# Altium PCB meltdown_interface.PcbDoc
Units mm, origin at the board's own origin, x right, y up, seen from the top; angles counter-clockwise.
Board outline 131.5 x 55 mm, 2 copper layers (Top Layer, Bottom Layer); 33 components, 31 nets, 132 pads, 51 vias.
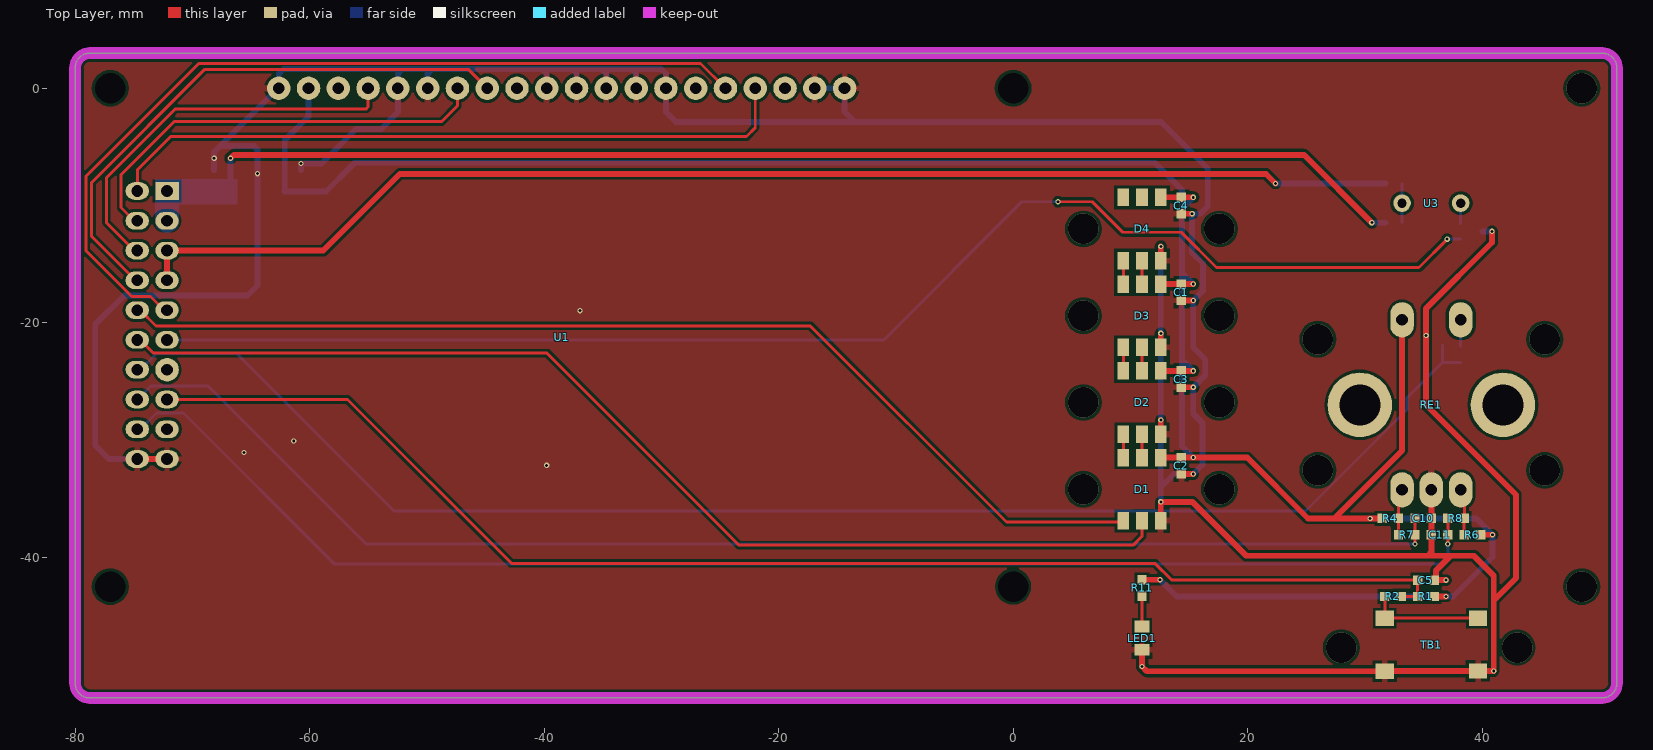
[diagram p0: Top Layer view]
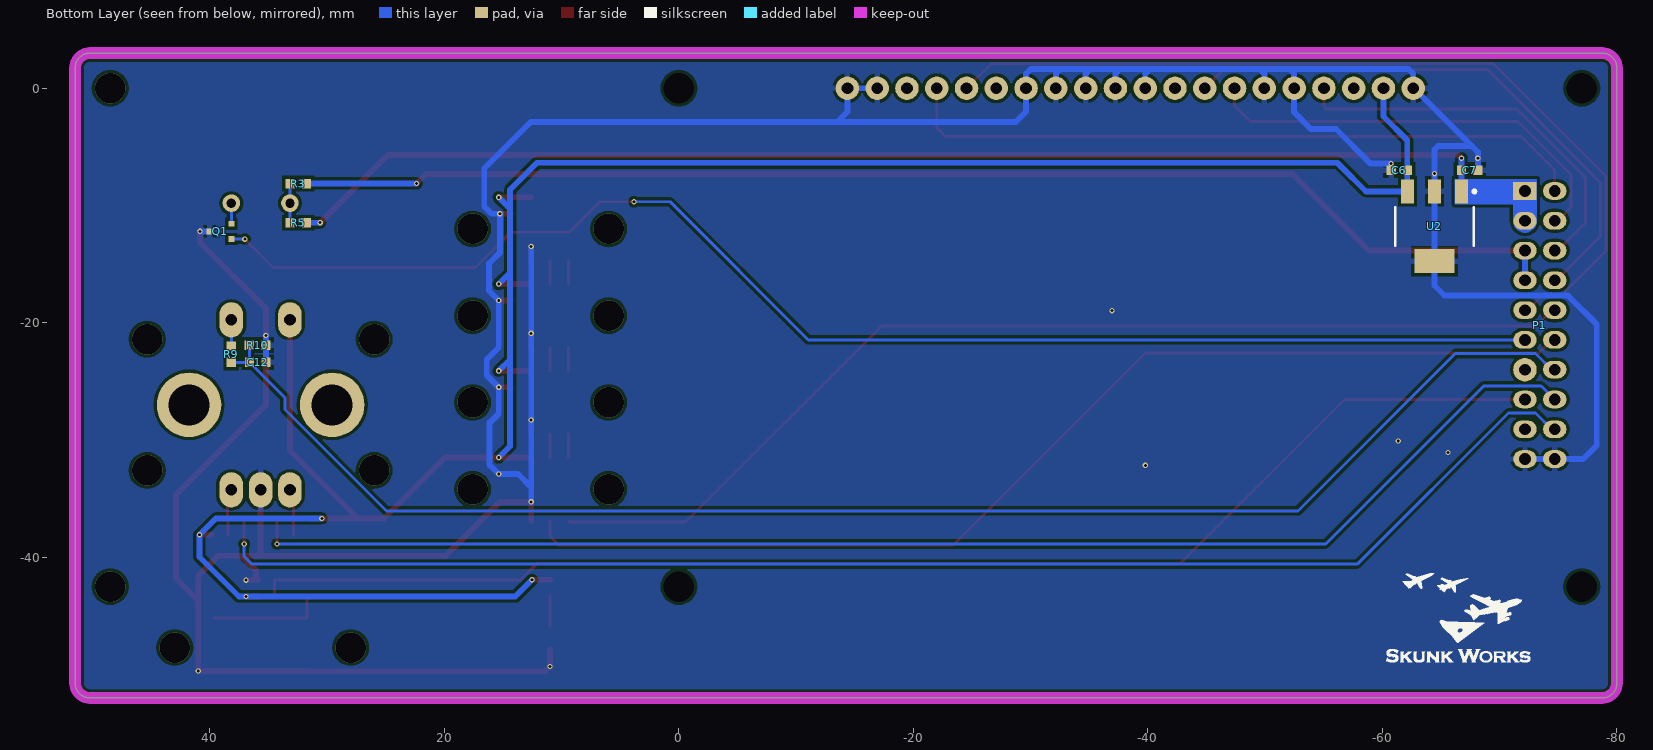
[diagram p1: Bottom Layer view, seen from below]

## Layer stack, top to bottom
Top Solder: solder mask 0.0102, Solder Resist, Dk 3.5
Top Layer: signal copper 0.0356
Dielectric 1: dielectric 0.32, FR-4, Dk 4.8
Bottom Layer: signal copper 0.0356
Bottom Solder: solder mask 0.0102, Solder Resist, Dk 3.5

## Board outline
-80,-50.73 -80,1.73 cw(c-78.73,1.73) -78.73,3 50.23,3 cw(c50.23,1.73) 51.5,1.73 51.5,-50.73 cw(c50.23,-50.73) 50.23,-52 -78.73,-52 cw(c-78.73,-50.73)

## Design rules (kind name [scope] priority, off if disabled: settings)
Clearance [All] p1: gap=0.254 ignorepadtopadclearanceinfootprint=FALSE except(0: Arc-Hole Track-Hole SMDPad-Hole THPad-Hole Via-Hole Fill-Hole Poly-Hole Region-Hole Text-Hole)
Height [All] p1: minheight=0 maxheight=127 prefheight=12.7
HoleSize [All] p1: absolutevalues=TRUE maxlimit=5 minlimit=0.025 maxpercent=80.000 minpercent=20.000
MinimumSolderMaskSliver [All] p1: minsoldermaskwidth=0.1
PolygonConnect PolygonConnect_1 [IsVia] p1: connectstyle=Direct reliefconductorwidth=0.254 reliefentries=4 polygonreliefangle="90 Angle" airgapwidth=0.254
PolygonConnect [All] p2: connectstyle=Relief reliefconductorwidth=0.5 reliefentries=4 polygonreliefangle="90 Angle" airgapwidth=0.254
RoutingVias [All] p1: holewidth=0.25 width=0.45 viastyle="Through Hole" minholewidth=0.25 minwidth=0.45 maxholewidth=0.25 maxwidth=0.45
SilkToSilkClearance [All] p1: silktosilkclearance=0.1
SilkToSolderMaskClearance [IsPad] p1: minsilkscreentomaskgap=0.1 clearancetoexposedcopper=TRUE
SolderMaskExpansion [All] p1: expansion=0.102 istentingtop=FALSE
Width Width_2 [InNet('GND') or InNet('3V3') or InNet('5V')  or InNet('12V')] p1: maxlimit=0.6 minlimit=0.5 preferedwidth=0.5
Width Width_1 [All] p2: maxlimit=0.254 minlimit=0.254 preferedwidth=0.254
Width [All] p3: maxlimit=0.8 minlimit=0.254 preferedwidth=0.254
25 further rules are at their usual default settings.

## Components (designator, comment, footprint, x,y, rotation, side; value= is the part's Value field where it differs from the comment)
C1 "0603, capacitor" "0603 cap" 14.35,-17.4 r270 top value=100n
C2 "0603, capacitor" "0603 cap" 14.35,-32.2 r270 top value=100n
C3 "0603, capacitor" "0603 cap" 14.35,-24.8 r270 top value=100n
C4 "0603, capacitor" "0603 cap" 14.35,-10 r270 top value=100n
C5 "0603, capacitor" "0603 cap" 35.207,-41.952 r0 top value=0
C6 "0603, capacitor" "0603 cap" -61.441,-6.983 r0 bottom value=1u
C7 "0603, capacitor" "0603 cap" -67.441,-6.987 r180 bottom value=4.7u
C10 "0603, capacitor" "0603 cap" 34.975,-36.691 r0 top value=50n
C11 "0603, capacitor" "0603 cap" 36.375,-38.081 r180 top value=50n
C12 "0603, capacitor" "0603 cap" 35.92,-23.377 r180 bottom value=0
D1 "Neo - SK9822" SK9822 11,-34.2 r90 top value=WS2812
D2 "Neo - SK9822" SK9822 11,-26.8 r90 top value=WS2812
D3 "Neo - SK9822" SK9822 11,-19.4 r90 top value=WS2812
D4 "Neo - SK9822" SK9822 11,-12 r90 top value=WS2812
LED1 "0805, LED" 0805_led 11.025,-46.9 r90 top value="0805 LED"
P1 "2x10 Ribbon Header" 2x10_RIBBON_CABLE_CON -73.425,-20.193 r180 bottom value="1x10 Pin Header"
Q1 "BSS138" SOT323 38.175,-12.855 r0 bottom
R1 "0603, resistor" 0603 35.207,-43.344 r180 top value=0
R2 "0603, resistor" 0603 32.4,-43.344 r180 top value=0
R3 "0603, resistor" 0603 32.47,-8.13 r180 bottom value=0R
R4 "0603, resistor" 0603 32.175,-36.688 r180 top value=10k
R5 "0603, resistor" 0603 32.475,-11.465 r180 bottom value=NC
R6 "0603, resistor" 0603 39.175,-38.083 r0 top value=10k
R7 "0603, resistor" 0603 33.575,-38.083 r0 top value=10k
R8 "0603, resistor" 0603 37.775,-36.688 r180 top value=10k
R9 "0603, resistor" 0603 38.18,-22.68 r90 bottom value=0
R10 "0603, resistor" 0603 35.93,-21.91 r0 bottom value=0
R11 "0603, resistor" 0603 11,-42.62 r90 top value=0
RE1 "Encoder" RotaryEncoder 35.675,-26.997 r0 top locked
TB1 "Tactile Button" "tacButton smd" 39.65,-49.7 r180 top locked value="Button SMD"
U1 "NHD-2.7-12864WDW" ? -77,0 r0 top locked
U2 "3.3V Reg" SOT223 -64.441,-11.773 r270 bottom value=MCP1826S
U3 "Piezo element" "Piezo buzzer" 35.675,-9.8 r0 top locked

## Footprints (in the part's own frame and the unit in brackets; to place one, negate y for a bottom-side part, rotate by r counter-clockwise, add the part's x,y. Pads: shape width x height; smd on the part's side, far side on the other; paste and mask are expansions set on the pad)
2x10_RIBBON_CABLE_CON [mm]
  rect 2x1.5 hole 1 mask+0: 1(-1.27,11.43)
  oval 2x1.5 hole 1 mask+0: 2(-1.27,8.89) 3(-1.27,6.35) 4(-1.27,3.81) 5(-1.27,1.27) 6(-1.27,-1.27) 8(-1.27,-6.35) 9(-1.27,-8.89) 10(-1.27,-11.43) 11(1.27,-11.43) 12(1.27,-8.89) 13(1.27,-6.35) 14(1.27,-3.81) 15(1.27,-1.27) 16(1.27,1.27) 17(1.27,3.81) 18(1.27,6.35) 19(1.27,8.89) 20(1.27,11.43)
  round 2 hole 1 mask+0: 7(-1.27,-3.81)
  body extent -4.45,-16.51 4.83,16.51, height 8.89
0603 [mm]
  rect 0.8x0.8 smd mask+0.01: 0(0.7,0) 1(-0.7,0)
  body extent -0.73,-0.41 0.87,0.41, height 0.45
"0603 cap" [mm]
  rect 0.8x0.8 smd mask+0.01: 0(0.7,0.002) 1(-0.7,0.002)
  body extent -0.83,-0.4 0.77,0.4, height 0.6
0805_led [mm]
  rect 1x1.25 smd mask+0.01: 0(-1,0.025) 1(1,0.025)
  body extent -1.03,-0.6 0.99,0.65, height 1.1
"Piezo buzzer" [mm]
  round 1.5 hole 0.8 mask+0.01: 1(-2.5,0) 2(2.5,0)
  body extent -6,-6 6,6, height 5.5
RotaryEncoder [mm]
  oval 2x3 hole 1 mask+0: 1(-2.5,-7.25) 2(0,-7.25) 3(2.5,-7.25) 4(2.5,7.25) 5(-2.5,7.25)
  round 5.5 hole 3.5 mask+0: NC1(6.105,0) NC2(-6.105,0)
  body extent -6.53,-7.28 6.53,6.71, height 32.5
SK9822 [mm]
  rect 1.5x1 smd mask+0.01: 1(-2.7,1.6) 2(-2.7,0) 3(-2.7,-1.6) 4(2.7,-1.6) 5(2.7,0) 6(2.7,1.6)
  body extent -2.7,-2.5 2.7,2.5, height 1.75
SOT223 [mm] "SOT223, 4-Leads, Body 6,50x7,10mm (avg), Pitch 2,30mm, IPC Medium Density"
  rect 2.05x1.1 smd mask+0.01: 1(-2.975,2.3) 2(-2.975,0) 3(-2.975,-2.3)
  rect 2.05x3.45 smd mask+0.01: 4(2.975,0)
  silkscreen extent -3.1,-3.35 1.65,3.52, body extent -3.42,-3.22 3.57,3.28, height 1.7
SOT323 [mm]
  rect 0.5x0.5 smd mask+0.01: 1(0,0) 2(0,-1.3) 3(1.85,-0.65)
  body extent -0.22,-1.72 2.08,0.38, height 1
"tacButton smd" [mm]
  rect 1.55x1.3 smd mask+0.01: 1(0,0) 2(0,-4.5) 3(7.95,0.023) 4(7.95,-4.5)
  body extent -0.55,-5.25 8.45,0.75, height 4.3
? [mm]
  round 2 hole 1 mask+0: 1(14.37,0) 2(16.91,0) 3(19.45,0) 4(21.99,0) 5(24.53,0) 6(27.07,0) 7(29.61,0) 8(32.15,0) 9(34.69,0) 10(37.23,0) 11(39.77,0) 12(42.31,0) 13(44.85,0) 14(47.39,0) 15(49.93,0) 16(52.47,0) 17(55.01,0) 18(57.55,0) 19(60.09,0) 20(62.63,0)
  round 1.524 hole 2.6 mask+0.01: NC(0,-42.5) NC(0,0) NC(77,-42.5) NC(77,0)
  body extent -2.5,-47.99 79.5,2.5, height 6.77

## Part data
P1: "2.54 mm"
Q1: "N-Channel Logic Level Enhancement Mode Field Effect Transistor"
RE1: library part "Rotary Encoder with Button"
TB1: library part "TacButton SMD", "Tactile Switch Small Low", ELFA=110-87-406
U1: "Graphic LCD Display Module White OLED - Passive Matrix Parallel/Serial 2.7\" (68.58mm) 128 x 64"
U2: library part MCP1826S, "500 mA, Positive Fixed-Voltage, Low-Dropout Regulator", Drop Out=250mV, Farnell=1287689
D1 D2 D3 D4: DigiKey=1568-1800-ND

## Via types
v1: diameter 0.45, hole 0.25, Top Layer to Bottom Layer, 35 vias
v2: diameter 2.6, hole 2.6, Top Layer to Bottom Layer, 16 vias

## Nets (pads, with @x,y where several pads share a name; then routed paths per layer and width w, separated by ;. In a path a pad name is that pad's centre, name@x,y a point inside that pad or via, vN(x,y) a via of type N, cw(c..) or ccw(c..) an arc to the next point about the centre after c; other vN are vias at no path point)
3V3: C1.1 C2.1 C3.1 C4.1 C6.1 D1.4 D2.4 D3.4 D4.4 R1.1 R4.0 R6.0 R11.0 RE1.5 U1.2 U2.3 | length 214.1
  Top Layer w0.5: R11.0 v1(12.53,-41.92) ; D1.4 C2.1 v1(15.369,-31.5) 19.97,-31.5 25.158,-36.688 27.392,-36.688 ; D2.4 C3.1 v1(15.369,-24.1) ; D3.4 C1.1 v1(15.369,-16.7) ; D4.4 C4.1 v1(15.369,-9.3) ; R4.0 v1(30.459,-36.688) 27.392,-36.688 ; RE1.5 33.175,-30.905 27.392,-36.688 ; R1.1 v1(36.923,-43.344) ; R6.0 v1(40.891,-38.083)
  Bottom Layer w0.5: U2.3 U2.3@-62.122,-8.798 ; U1.2 -60.09,-2.413 -62.122,-4.445 U2.3@-62.122,-8.798 ; v1(12.53,-41.92) 13.954,-43.344 37.526,-43.344 40.891,-39.979 v1(40.891,-38.083) 39.497,-36.688 v1(30.459,-36.688) ; v1(15.369,-31.5) 14.4,-30.531 14.4,-23.131 ; v1(15.369,-24.1) 14.4,-23.131 ; v1(15.369,-16.7) 14.4,-15.731 ; v1(15.369,-9.3) 14.4,-10.269 ; U2.3@-62.122,-8.798 -58.601,-8.798 ; -58.601,-8.798 -56.407,-6.604 ; -58.601,-8.798 -56.407,-6.604 ; -56.407,-6.604 -56.157,-6.354 12.1,-6.354 14.4,-8.654 14.4,-10.269 ; 14.4,-23.131 14.4,-15.731 ; 14.4,-15.731 14.4,-10.269
5V: C7.1 P1.1 P1.2 R5.0 U2.1 | length 103.9
  Top Layer w0.5: v1(-66.741,-5.969) -66.452,-5.68 24.81,-5.68 v1(30.595,-11.465)
  Bottom Layer w0.5: U2.1 C7.1 v1(-66.741,-5.969) ; v1(30.595,-11.465) R5.0
12V: P1.3 P1.4 R3.0 | length 112.1
  Top Layer w0.5: P1.4 P1.3 -58.833,-13.843 -52.3,-7.31 21.57,-7.31 v1(22.38,-8.12)
  Bottom Layer w0.5: P1.4 P1.3 ; v1(22.38,-8.12) 31.76,-8.12 R3.0
ENC_A: C10.1 P1.13 R7.0 | length 117.2
  Top Layer w0.254: v1(34.275,-38.866) R7.0 C10.1
  Bottom Layer w0.254: P1.13 -73.542,-25.39 -68.64,-25.39 -55.164,-38.866 v1(34.275,-38.866)
ENC_B: C11.1 P1.12 R8.0 | length 121.2
  Top Layer w0.254: v1(37.075,-38.866) C11.1 R8.0
  Bottom Layer w0.254: P1.12 -74.445,-29.083 -73.052,-27.69 -70.75,-27.69 -57.85,-40.59 36.42,-40.59 37.075,-39.935 v1(37.075,-38.866)
ENC_BTN: C12.1 P1.14 R9.1 R10.0 | length 126.3
  Bottom Layer w0.254: P1.14 -74.445,-24.003 -73.064,-22.622 -66.218,-22.622 -52.79,-36.05 24.945,-36.05 33.607,-27.388 33.607,-26.388 C12.1 ; R10.0 36.62,-21.92 C12.1 ; R9.1 36.625,-23.38 C12.1
ExtBoot: P1.7
GND: C1.0 C2.0 C3.0 C4.0 C5.0 C6.0 C7.0 C10.0 C11.0 C12.0 D1.3 D2.3 D3.3 D4.3 LED1.0 P1.10 P1.11 Q1.3 R10.1 RE1.2 TB1.1 TB1.3 U1.1 U1.5 U1.6 U1.10 U1.11 U1.12 U1.13 U1.14 U1.19 U1.20 U2.2 U2.4 | length 358.7
  Top Layer w0.5: P1.11 P1.10 ; LED1.0 v1(11,-49.31) 11.413,-49.723 TB1.3 31.711,-49.711 39.639,-49.711 TB1.1 v1(40.994,-49.7) 40.994,-43.68 ; D1.3 v1(12.6,-35.274) 15.284,-35.274 19.88,-39.87 35.382,-39.87 ; D2.3 v1(12.6,-28.3) ; D3.3 v1(12.6,-20.9) ; D4.3 v1(12.6,-13.5) ; C2.0 v1(15.369,-32.9) ; C3.0 v1(15.369,-25.5) ; C1.0 v1(15.369,-18.1) ; C4.0 v1(15.271,-10.7) ; RE1.2 C10.0 C11.0 35.675,-39.577 35.382,-39.87 ; v1(36.923,-41.949) C5.0 36.057,-41.799 36.057,-41.149 37.336,-39.87 ; v1(40.845,-12.205) 40.845,-13.155 35.23,-18.77 v1(35.23,-21.08) 35.23,-27.02 42.89,-34.68 42.89,-41.784 40.994,-43.68 ; 35.382,-39.87 37.336,-39.87 ; 37.336,-39.87 39.29,-39.87 40.994,-41.574 40.994,-43.68
  Bottom Layer w0.5: P1.10 P1.11 -77.117,-31.623 -78.28,-30.46 -78.28,-20.13 -75.819,-17.669 -70.378,-17.669 -70.377,-17.67 -65.29,-17.67 -64.441,-16.821 U2.4 U2.2 -64.441,-7.286 v1(-64.444,-7.283) -64.444,-5.233 -64.737,-4.94 -67.64,-4.94 ; C7.0 v1(-68.141,-5.969) -68.141,-5.441 -67.64,-4.94 ; C6.0 v1(-60.741,-6.409) -58.969,-6.409 -56.04,-3.48 -53.9,-3.48 -52.47,-2.05 U1.5 -52.47,1.241 -52.073,1.638 ; U1.6 -49.93,1.241 -49.533,1.638 ; U1.10 -39.77,1.241 -40.167,1.638 ; U1.11 -37.23,1.241 -37.627,1.638 ; U1.12 -34.69,1.241 -35.087,1.638 ; U1.13 -32.15,1.241 -32.547,1.638 ; U1.19 U1.20 -14.37,-2 -13.5,-2.87 ; v1(12.6,-35.274) 12.6,-34.02 ; v1(12.6,-13.5) v1(12.6,-20.9) v1(12.6,-28.3) 12.6,-34.02 ; C12.0 35.225,-23.37 35.225,-21.915 R10.1 v1(35.23,-21.08) ; Q1.3 v1(40.845,-12.205) ; -67.64,-4.94 -62.7,0 U1.1 -62.63,1.241 -62.233,1.638 -52.073,1.638 ; -52.073,1.638 -49.533,1.638 ; -49.533,1.638 -40.167,1.638 ; -40.167,1.638 -37.627,1.638 ; -37.627,1.638 -35.087,1.638 ; -35.087,1.638 -32.547,1.638 ; -32.547,1.638 -30.007,1.638 -29.61,1.241 U1.14 -29.61,-2 -28.74,-2.87 12.63,-2.87 16.6,-6.84 16.6,-10.09 15.99,-10.7 v1(15.271,-10.7) 15.271,-14.021 16.2,-14.95 16.2,-17.269 v1(15.369,-18.1) 15.369,-22.109 16.39,-23.13 16.39,-24.479 v1(15.369,-25.5) 15.369,-27.749 16.14,-28.52 16.14,-32.129 v1(15.369,-32.9) 13.72,-32.9 12.6,-34.02
  other v1: -39.78,-32.16 -65.59,-31.06 -61.35,-30.08 -36.94,-18.97
LCD_NRST: P1.5 U1.16 | length 74.8
  Top Layer w0.254: P1.5 -72.405,-18.923 -73.56,-17.768 -75.159,-17.768 -79.088,-13.839 -79.088,-7.518 -69.451,2.119 -26.649,2.119 U1.16
NetD1_5: D1.5 D2.2 | length 2.1
  Top Layer w0.254: D1.5 D2.2 D2.2@11.051,-29.5
NetD1_6: D1.6 D2.1 | length 2.1
  Top Layer w0.254: D1.6 D2.1 D2.1@9.451,-29.5
NetD2_5: D2.5 D3.2 | length 2
  Top Layer w0.254: D2.5 D3.2
NetD2_6: D2.6 D3.1 | length 2
  Top Layer w0.254: D2.6 D3.1
NetD3_5: D3.5 D4.2 | length 2
  Top Layer w0.254: D3.5 D4.2
NetD3_6: D3.6 D4.1 | length 2
  Top Layer w0.254: D3.6 D4.1
NetLED1_1: LED1.1 R11.1 | length 2.6
  Top Layer w0.254: LED1.1 R11.1
NetQ1_2: Q1.2 U3.2 | length 1.8
  Bottom Layer w0.254: Q1.2 U3.2
NetR2_0: R2.0 TB1.2 TB1.4 | length 9.8
  Top Layer w0.254: R2.0 TB1.4 TB1.2
NetR3_1: R3.1 R5.1 U3.1 | length 3.3
  Bottom Layer w0.254: R3.1 33.175,-8.135 U3.1 R5.1
NetR4_1: R4.1 R7.1 RE1.1 | length 4
  Top Layer w0.254: R7.1 32.875,-34.547 RE1.1
NetR6_1: R6.1 R8.1 RE1.3 | length 4
  Top Layer w0.254: RE1.3 38.509,-34.581 38.509,-36.544 38.42,-36.633 R8.1 R6.1
NetR9_0: R9.0 RE1.4 | length 2.2
  Bottom Layer w0.254: RE1.4 38.175,-21.975 R9.0
nRESET: C5.1 P1.8 R1.0 R2.1 | length 115.8
  Top Layer w0.254: P1.8 -56.757,-26.543 -42.78,-40.52 12.093,-40.52 13.523,-41.949 C5.1 R1.0 R2.1
OLED_CS: P1.20 U1.17 | length 59.4
  Top Layer w0.254: P1.20 -74.695,-6.97 -71.845,-4.12 -22.745,-4.12 -21.99,-3.365 U1.17
OLED_DC: P1.18 U1.4 | length 33.9
  Top Layer w0.254: P1.18 -74.945,-13.843 -77.34,-11.448 -77.34,-7.66 -71.43,-1.75 -55.159,-1.75 -55.01,-1.601 U1.4
OLED_MOSI: P1.17 U1.8 | length 48.4
  Top Layer w0.254: P1.17 -74.842,-16.383 -78.58,-12.645 -78.58,-8.03 -68.939,1.611 -46.461,1.611 U1.8
OLED_SCK: P1.19 U1.7 | length 37.3
  Top Layer w0.254: P1.19 -74.945,-11.303 -76.076,-10.172 -76.076,-7.366 -71.56,-2.85 -48.75,-2.85 -47.39,-1.49 U1.7
PB3_SCK: D1.2 P1.15 | length 94.6
  Top Layer w0.254: P1.15 -74.445,-21.463 -73.314,-22.594 -39.746,-22.594 -23.37,-38.97 10.24,-38.97 11,-38.21 D1.2
PB5_MOSI: D1.1 P1.16 | length 91.6
  Top Layer w0.254: P1.16 -74.445,-18.923 -73.098,-20.27 -17.29,-20.27 -0.57,-36.99 9.31,-36.99 D1.1
TIM2_CH3: P1.6 Q1.1 | length 118.5
  Top Layer w0.254: v1(3.84,-9.68) 6.75,-9.68 9.35,-12.28 14.35,-12.28 17.35,-15.28 34.61,-15.28 v1(37.02,-12.87)
  Bottom Layer w0.254: P1.6 -11.033,-21.463 0.75,-9.68 v1(3.84,-9.68) ; v1(37.02,-12.87) 37.028,-12.862 38.167,-12.862 Q1.1
VBAT: P1.9
pads on no net: D4.5 D4.6 RE1.NC1 RE1.NC2 U1.3 U1.9 U1.15 U1.18 U1.NC
copper on no net:
  other v2: 28,-47.7 43,-47.7 48.5,-42.5 6,-34.2 17.6,-34.2 26,-32.595 45.35,-32.595 6,-26.8 17.6,-26.8 26,-21.4 45.35,-21.4 6,-19.4 17.6,-19.4 6,-12 17.6,-12 48.5,0

## Polygon pours and split planes (outlines as drawn)
GND on Top Layer "Top Layer-No Net" (solid, pour order 0): -80,-52 51.5,-52 51.5,3 -80,3
GND on Bottom Layer "Top Layer-No Net1" (solid, remove dead copper, pour order 1): -80,-52 51.5,-52 51.5,3 -80,3

## Keep-outs
Keep-Out Layer:
  the board outline again, w1

## Other copper
Bottom Layer:
  region net 5V: -73.171,-7.747 -73.171,-11.303 ccw(c-72.155,-11.303) -72.155,-12.319 ccw(c-72.155,-11.303) -71.139,-11.303 -71.139,-9.906 -66.186,-9.906 -66.186,-7.747

## Silkscreen, mask and mechanical layers (free items; w line width, h text height)
Bottom Overlay:
  drawing of 14 lines, arcs and shapes, not listed